# Altium PCB FPGA_Module.PcbDoc (part 4 of 6)
Units mm, origin at the board's own origin, x right, y up, seen from the top; angles counter-clockwise.
Board outline 40 x 50 mm, 6 copper layers (Top Layer, Int1 (GND), Int2 (Sign), Int3 (Sign), Int4 (GND), Bottom Layer), stack 1.482 mm thick; 195 components, 212 nets, 1182 pads, 669 vias.
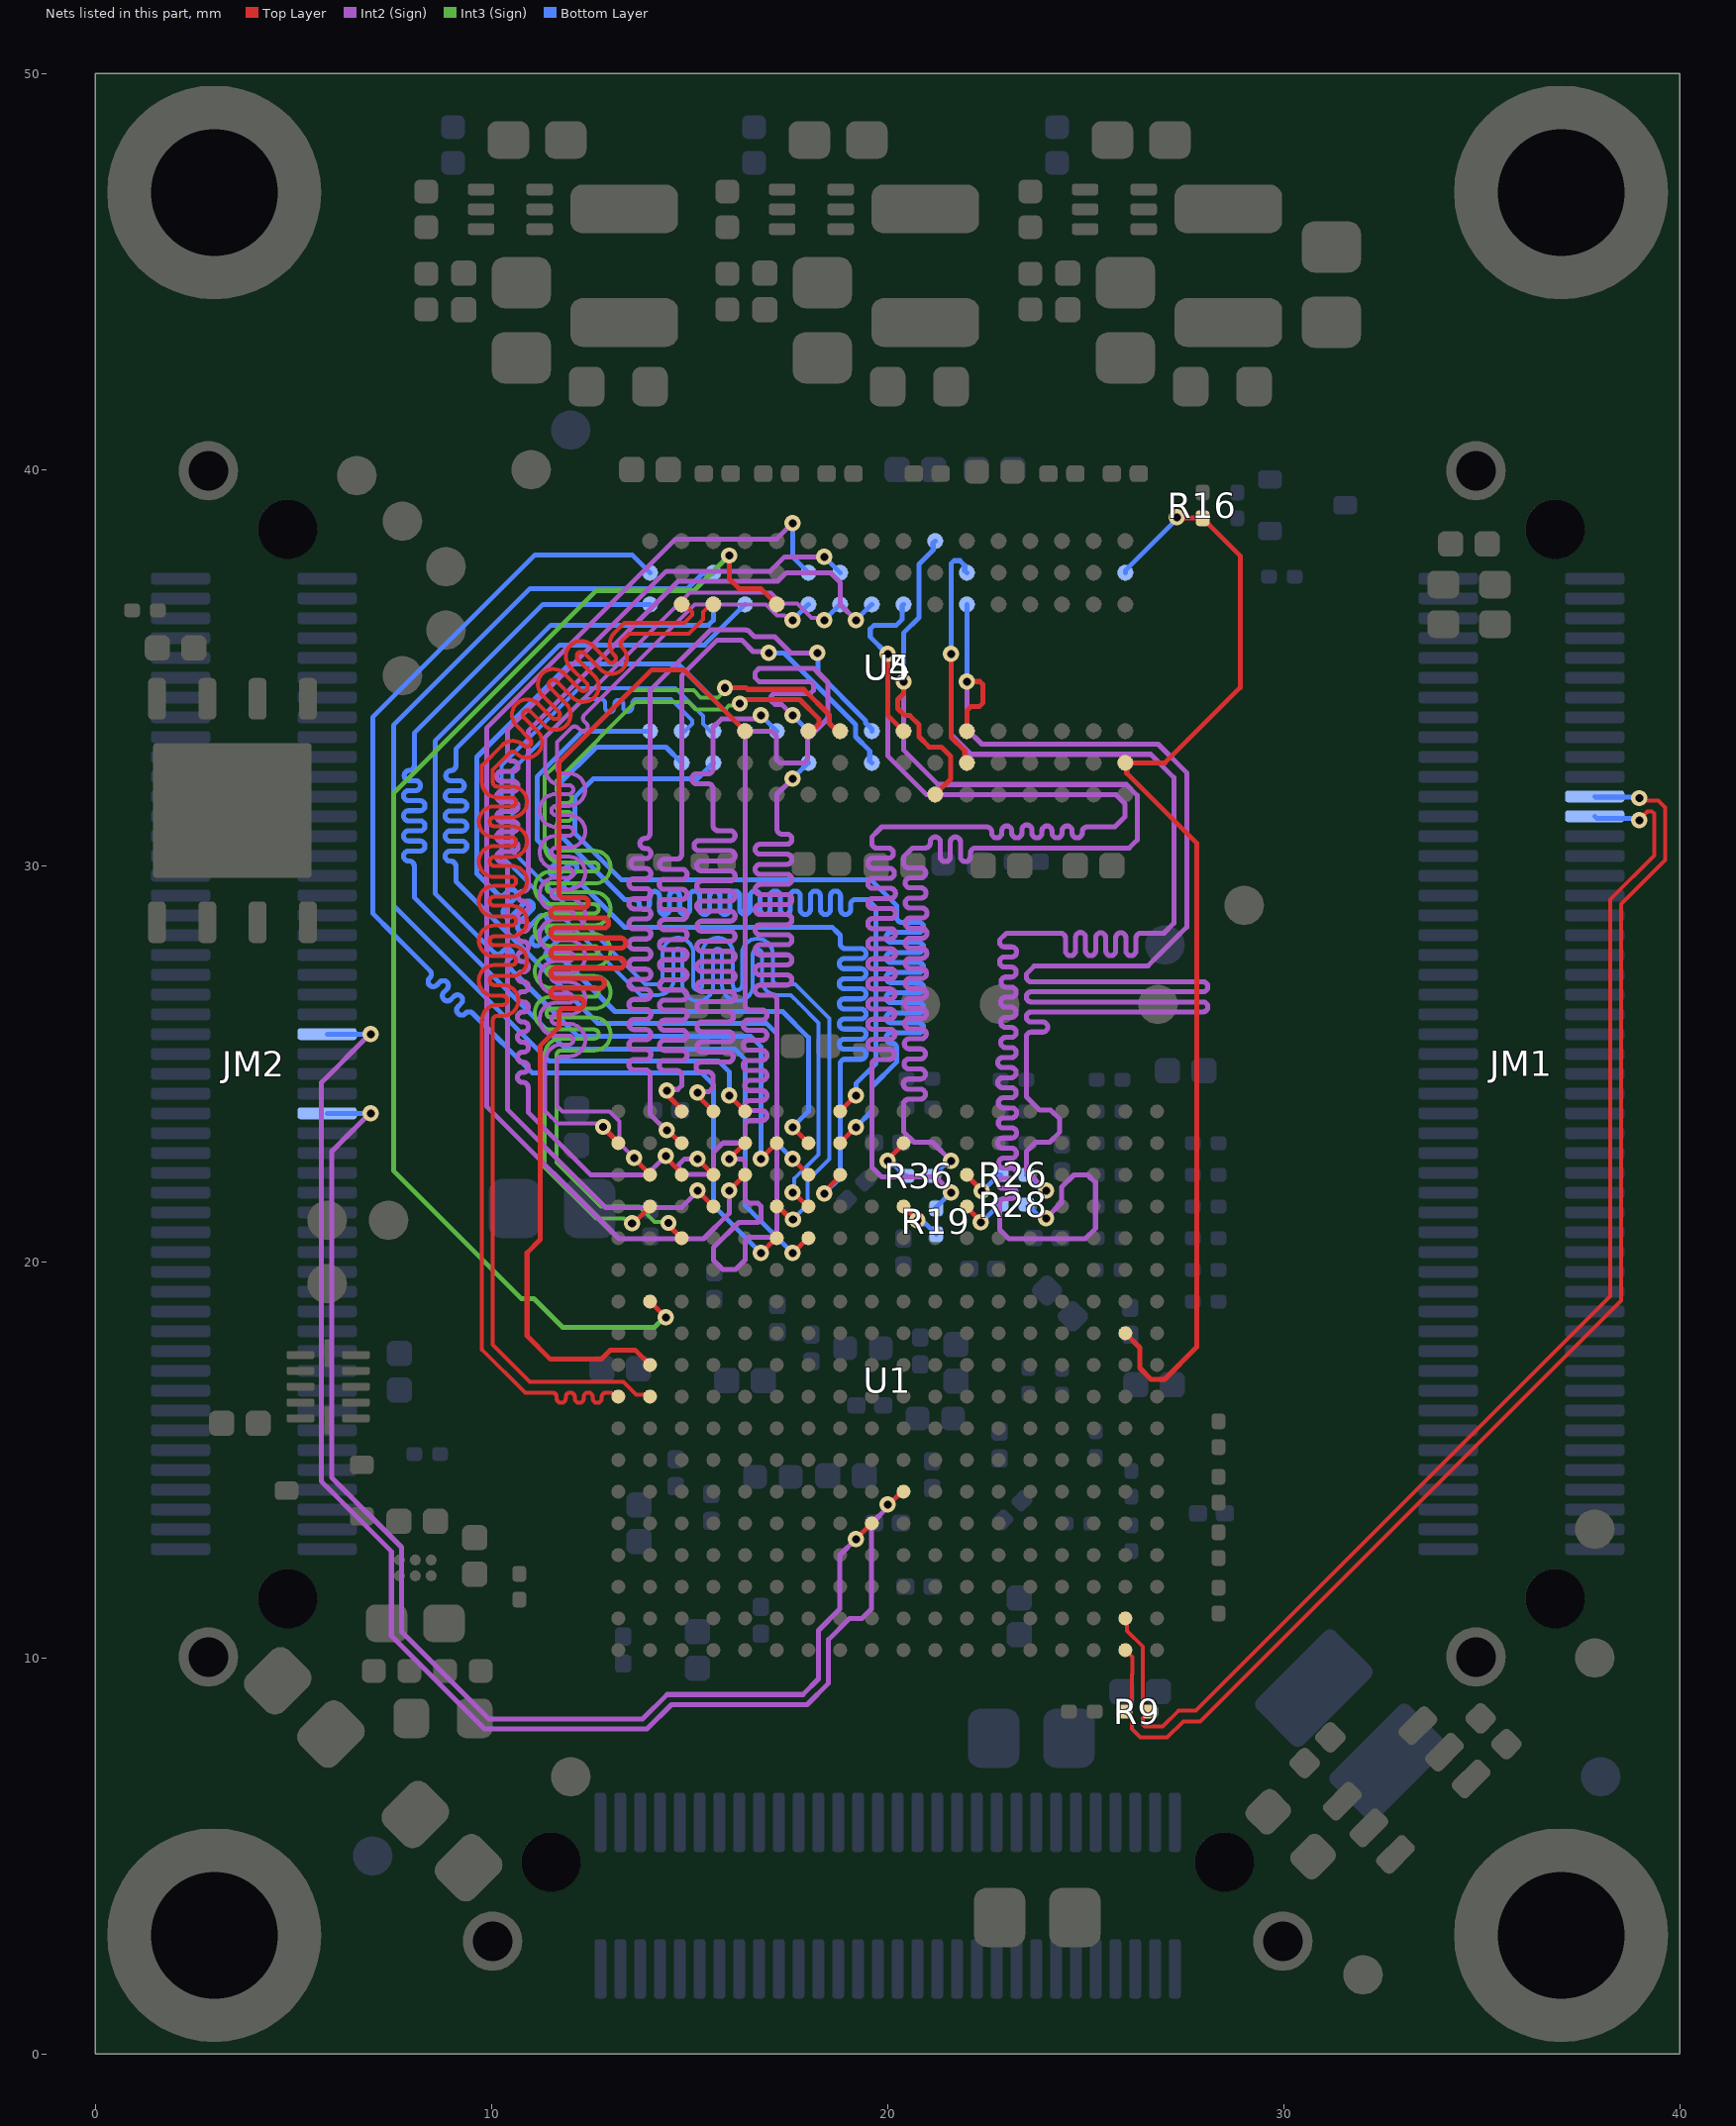
[diagram p8: the nets of this part, all layers, seen from the top]

## Via types
v1: diameter 0.406, hole 0.203, Top Layer to Bottom Layer, tented both sides, 669 vias

## Nets (pads, with @x,y where several pads share a name; then routed paths per layer and width w, separated by ;. In a path a pad name is that pad's centre, name@x,y a point inside that pad or via, vN(x,y) a via of type N, cw(c..) or ccw(c..) an arc to the next point about the centre after c; other vN are vias at no path point) (continued)
DDR3_D17: U1.D16 U5.F7 | length 30.2
  Top Layer w0.127: v1(15.2,22.6) U1.D16@15.562,22.238
  Int2 (Sign) w0.127: v1@15.23,22.63 v1(15.2,22.6) 14.875,22.6 14.725,22.45 14.725,22.281 14.799,22.206 15.506,22.206 15.6,22.3 15.6,22.757 15.844,23.001 16.276,23.001 16.402,23.127 16.402,23.234 16.402,23.437 cw(c16.529,23.437) 16.529,23.564 16.825,23.564 ccw(c16.825,23.691) 16.825,23.818 16.521,23.818 cw(c16.521,23.945) 16.521,24.072 16.825,24.072 ccw(c16.825,24.199) 16.825,24.326 16.521,24.326 cw(c16.521,24.453) 16.521,24.58 16.825,24.58 ccw(c16.825,24.707) 16.825,24.834 16.481,24.834 cw(c16.481,24.961) 16.481,25.088 16.825,25.088 ccw(c16.825,25.215) 16.825,25.342 16.481,25.342 cw(c16.481,25.469) 16.481,25.596 16.825,25.596 ccw(c16.825,25.723) 16.825,25.85 16.481,25.85 cw(c16.481,25.977) 16.481,26.104 16.825,26.104 ccw(c16.825,26.231) 16.825,26.358 16.529,26.358 cw(c16.529,26.485) 16.402,26.485 16.402,26.548 16.402,33.277 16.519,33.394 17.081,33.394 17.191,33.284 17.191,32.684 17.275,32.6 17.9,32.6 17.981,32.681 17.981,33.206 18.494,33.719 18.494,34.631 18.144,34.981 16.756,34.981 16.65,34.875 16.65,34.75 16.75,34.65 18.05,34.65 18.125,34.575 18.125,34.424 18.051,34.35 17.129,34.35 17.055,34.276 17.055,34.17 17.15,34.075 17.325,34.075 v1(17.6,33.8)
  Bottom Layer w0.127: v1(17.6,33.8) U5.F7@18,33.4
DDR3_D18: U1.E16 U5.F2 | length 29.7
  Top Layer w0.127: v1(16,21.8) U1.E16@16.362,22.162
  Int2 (Sign) w0.127: v1(16,21.8) 16,21.225 15.355,20.58 13.22,20.58 9.875,23.925 9.875,33.475 14.65,38.25 17.2,38.25 v1(17.6,38.65)
  Bottom Layer w0.127: v1(17.6,38.65) 17.6,37.8 U5.F2@18,37.4
DDR3_D19: U1.E17 U5.F8 | length 32.1
  Top Layer w0.127: v1(16,22.6) U1.E17@16.362,22.962
  Int2 (Sign) w0.127: v1(16,22.6) 16.332,22.6 16.406,22.526 16.406,21.556 16.481,21.481 16.726,21.481 16.8,21.407 16.8,21.072 16.726,20.998 16.241,20.998 15.606,20.363 15.606,20.037 15.837,19.806 16.163,19.806 16.406,20.05 16.406,20.531 16.496,20.621 17.046,20.621 17.206,20.781 17.206,26.283 17.206,26.608 ccw(c17.079,26.608) 17.079,26.735 16.783,26.735 cw(c16.783,26.862) 16.783,26.989 17.457,26.989 ccw(c17.457,27.116) 17.457,27.243 16.783,27.243 cw(c16.783,27.37) 16.783,27.497 17.457,27.497 ccw(c17.457,27.624) 17.457,27.751 16.783,27.751 cw(c16.783,27.878) 16.783,28.005 17.457,28.005 ccw(c17.457,28.132) 17.457,28.259 16.783,28.259 cw(c16.783,28.386) 16.783,28.513 17.457,28.513 ccw(c17.457,28.64) 17.457,28.767 16.783,28.767 cw(c16.783,28.894) 16.783,29.021 17.457,29.021 ccw(c17.457,29.148) 17.457,29.275 16.783,29.275 cw(c16.783,29.402) 16.783,29.529 17.457,29.529 ccw(c17.457,29.656) 17.457,29.783 16.783,29.783 cw(c16.783,29.91) 16.783,30.037 17.457,30.037 ccw(c17.457,30.164) 17.457,30.291 16.783,30.291 cw(c16.783,30.418) 16.783,30.545 17.457,30.545 ccw(c17.457,30.672) 17.457,30.799 17.333,30.799 cw(c17.333,30.926) 17.206,30.926 17.206,31.806 17.533,32.133 v1(17.6,32.2)
  Bottom Layer w0.127: v1(17.6,32.2) U5.F8@18,32.6
DDR3_D20: U1.C16 U5.H3 | length 29.2
  Top Layer w0.127: v1(14.4,22.675) 14.4,22.638 14.762,22.275 U1.C16@14.762,22.238
  Int2 (Sign) w0.127: v1(14.4,22.675) 13.925,22.2 12.5,22.2 10.925,23.775 10.925,24.341 10.925,24.404 ccw(c10.798,24.404) 10.798,24.531 10.781,24.531 cw(c10.781,24.658) 10.781,24.785 10.805,24.785 ccw(c10.805,24.912) 10.805,25.039 10.781,25.039 cw(c10.781,25.166) 10.781,25.293 10.805,25.293 ccw(c10.805,25.42) 10.805,25.547 10.781,25.547 cw(c10.781,25.674) 10.781,25.801 10.805,25.801 ccw(c10.805,25.928) 10.805,26.055 10.781,26.055 cw(c10.781,26.182) 10.781,26.309 10.805,26.309 ccw(c10.805,26.436) 10.805,26.563 10.781,26.563 cw(c10.781,26.69) 10.781,26.817 10.805,26.817 ccw(c10.805,26.944) 10.805,27.071 10.781,27.071 cw(c10.781,27.198) 10.781,27.325 10.805,27.325 ccw(c10.805,27.452) 10.805,27.579 10.781,27.579 cw(c10.781,27.706) 10.781,27.833 10.805,27.833 ccw(c10.805,27.96) 10.805,28.087 10.781,28.087 cw(c10.781,28.214) 10.781,28.341 10.805,28.341 ccw(c10.805,28.468) 10.805,28.595 10.792,28.595 cw(c10.792,28.722) 10.792,28.849 10.805,28.849 ccw(c10.805,28.976) 10.805,29.103 10.798,29.103 cw(c10.798,29.23) 10.798,29.357 ccw(c10.798,29.484) 10.925,29.484 10.925,29.749 10.925,33.4 14.708,37.183 17.226,37.183 17.437,37.394 18.563,37.394 18.806,37.15 18.806,36.594 v1(19.2,36.2)
  Bottom Layer w0.127: v1(19.2,36.2) U5.H3@19.6,36.6
DDR3_D21: U1.C18 U5.H8 | length 30.9
  Top Layer w0.127: v1(14.425,24.325) 14.478,24.272 14.478,24.17 14.8,23.849 U1.C18@14.8,23.8
  Int2 (Sign) w0.127: v1(14.425,24.325) 14.451,24.351 14.701,24.351 14.8,24.45 14.8,24.641 14.8,24.705 ccw(c14.673,24.705) 14.673,24.832 14.358,24.832 cw(c14.358,24.959) 14.358,25.086 14.809,25.086 ccw(c14.809,25.213) 14.809,25.34 14.37,25.34 cw(c14.37,25.467) 14.37,25.594 14.809,25.594 ccw(c14.809,25.721) 14.809,25.848 14.37,25.848 cw(c14.37,25.975) 14.37,26.102 14.809,26.102 ccw(c14.809,26.229) 14.809,26.356 14.37,26.356 cw(c14.37,26.483) 14.37,26.61 14.809,26.61 ccw(c14.809,26.737) 14.809,26.864 14.37,26.864 cw(c14.37,26.991) 14.37,27.118 14.809,27.118 ccw(c14.809,27.245) 14.809,27.372 14.368,27.372 cw(c14.368,27.499) 14.368,27.626 14.809,27.626 ccw(c14.809,27.753) 14.809,27.88 14.367,27.88 cw(c14.367,28.007) 14.367,28.134 14.809,28.134 ccw(c14.809,28.261) 14.809,28.388 14.365,28.388 cw(c14.365,28.515) 14.365,28.642 14.809,28.642 ccw(c14.809,28.769) 14.809,28.896 14.363,28.896 cw(c14.363,29.023) 14.363,29.15 14.809,29.15 ccw(c14.809,29.277) 14.809,29.404 14.362,29.404 cw(c14.362,29.531) 14.362,29.658 14.809,29.658 ccw(c14.809,29.785) 14.809,29.912 14.37,29.912 cw(c14.37,30.039) 14.37,30.166 14.673,30.166 ccw(c14.673,30.293) 14.8,30.293 14.8,31.375 14.8,34.8 15.7,35.7 16.316,35.7 16.606,35.409 16.966,35.409 v1(17,35.375)
  Bottom Layer w0.127: v1(17,35.375) 17.001,35.374 17.379,35.374 19.191,33.562 19.191,33.257 19.548,32.9 19.548,32.652 U5.H8@19.6,32.6
DDR3_D22: U1.D15 U5.G2 | length 30.7
  Top Layer w0.127: v1(15.2,21.8) U1.D15@15.562,21.438
  Int2 (Sign) w0.127: v1@15.213,21.788 14.8,21.375 12.875,21.375 10.4,23.85 10.4,29.91 10.4,29.974 ccw(c10.273,29.974) 10.273,30.101 10.256,30.101 cw(c10.256,30.228) 10.256,30.355 10.544,30.355 ccw(c10.544,30.482) 10.544,30.609 10.256,30.609 cw(c10.256,30.736) 10.256,30.863 10.544,30.863 ccw(c10.544,30.99) 10.544,31.117 10.256,31.117 cw(c10.256,31.244) 10.256,31.371 10.544,31.371 ccw(c10.544,31.498) 10.544,31.625 10.256,31.625 cw(c10.256,31.752) 10.256,31.879 10.544,31.879 ccw(c10.544,32.006) 10.544,32.133 10.256,32.133 cw(c10.256,32.26) 10.256,32.387 10.544,32.387 ccw(c10.544,32.514) 10.544,32.641 10.527,32.641 cw(c10.527,32.768) 10.4,32.768 10.4,33.4 10.4,33.425 14.413,37.438 17.038,37.438 17.4,37.8 v1(18.4,37.8)
  Bottom Layer w0.127: v1(18.4,37.8) U5.G2@18.8,37.4
DDR3_D23: U1.C17 U5.H7 | length 29.4
  Top Layer w0.127: v1(14.425,23.325) 14.45,23.325 14.737,23.038 U1.C17@14.762,23.038
  Int2 (Sign) w0.127: v1(14.425,23.325) 14.404,23.325 14,23.729 14,24.658 14,24.722 ccw(c13.873,24.722) 13.873,24.849 13.597,24.849 cw(c13.597,24.976) 13.597,25.103 13.896,25.103 ccw(c13.896,25.23) 13.896,25.357 13.597,25.357 cw(c13.597,25.484) 13.597,25.611 13.896,25.611 ccw(c13.896,25.738) 13.896,25.865 13.597,25.865 cw(c13.597,25.992) 13.597,26.119 13.896,26.119 ccw(c13.896,26.246) 13.896,26.373 13.597,26.373 cw(c13.597,26.5) 13.597,26.627 13.896,26.627 ccw(c13.896,26.754) 13.896,26.881 13.597,26.881 cw(c13.597,27.008) 13.597,27.135 13.896,27.135 ccw(c13.896,27.262) 13.896,27.389 13.597,27.389 cw(c13.597,27.516) 13.597,27.643 13.896,27.643 ccw(c13.896,27.77) 13.896,27.897 13.597,27.897 cw(c13.597,28.024) 13.597,28.151 13.896,28.151 ccw(c13.896,28.278) 13.896,28.405 13.597,28.405 cw(c13.597,28.532) 13.597,28.659 13.896,28.659 ccw(c13.896,28.786) 13.896,28.913 13.597,28.913 cw(c13.597,29.04) 13.597,29.167 13.896,29.167 ccw(c13.896,29.294) 13.896,29.421 13.597,29.421 cw(c13.597,29.548) 13.597,29.675 13.896,29.675 ccw(c13.896,29.802) 13.896,29.929 13.647,29.929 cw(c13.647,30.056) 13.647,30.183 13.896,30.183 ccw(c13.896,30.31) 13.896,30.437 13.873,30.437 cw(c13.873,30.564) 13.873,30.691 ccw(c13.873,30.818) 14,30.818 14,31.379 14,34.425 15.529,35.954 16.421,35.954 16.425,35.95 16.468,35.95 16.637,35.781 17.15,35.781 17.557,35.375 v1(18.225,35.375)
  Bottom Layer w0.127: v1(18.225,35.375) 18.237,35.363 18.237,34.875 19.445,33.667 19.445,33.611 19.6,33.455 U5.H7@19.6,33.4
DDR3_D24: U1.G17 U5.D7 | length 29
  Top Layer w0.127: v1(17.6,23.4) U1.G17@17.962,23.038
  Bottom Layer w0.127: U5.D7@16.4,33.4 14.706,35.094 11.978,35.094 9.631,32.747 9.631,29.803 9.717,29.717 9.762,29.672 10.153,29.281 ccw(c10.243,29.37) 10.333,29.281 10.417,29.364 cw(c10.506,29.274) 10.596,29.364 cw(c10.506,29.274) 10.596,29.185 10.328,28.917 ccw(c10.418,28.827) 10.328,28.737 ccw(c10.418,28.827) 10.508,28.737 10.839,29.069 cw(c10.929,28.979) 11.019,29.069 cw(c10.929,28.979) 11.019,28.889 10.687,28.557 ccw(c10.777,28.468) 10.687,28.378 ccw(c10.777,28.468) 10.867,28.378 11.199,28.71 cw(c11.288,28.62) 11.378,28.71 cw(c11.288,28.62) 11.378,28.53 11.047,28.198 ccw(c11.136,28.108) 11.047,28.019 ccw(c11.136,28.108) 11.226,28.019 11.558,28.35 cw(c11.648,28.261) 11.737,28.35 cw(c11.648,28.261) 11.737,28.171 11.406,27.839 ccw(c11.496,27.749) 11.406,27.659 ccw(c11.496,27.749) 11.585,27.659 11.59,27.664 cw(c11.68,27.574) 11.77,27.664 11.815,27.619 13.115,26.319 17.347,26.319 18,25.666 18,23.8 v1(17.6,23.4)
DDR3_D25: U1.F17 U5.C3 | length 26.2
  Top Layer w0.127: v1(16.8,22.6) U1.F17@17.162,22.962
  Bottom Layer w0.127: U5.C3@15.6,36.6 15.6,36.2 15.475,36.075 11.5,36.075 8.575,33.15 8.575,29.3 9.676,28.199 9.721,28.154 10.072,27.803 ccw(c10.161,27.893) 10.251,27.803 10.307,27.86 cw(c10.397,27.77) 10.487,27.86 cw(c10.397,27.77) 10.487,27.68 10.431,27.624 ccw(c10.521,27.534) 10.431,27.444 10.61,27.265 10.655,27.22 12.175,25.7 16.538,25.7 16.8,25.438 v1(16.8,22.6)
DDR3_D26: U1.H17 U5.C8 | length 30.1
  Top Layer w0.127: U1.H17@18.838,23.038 v1(19.2,23.4)
  Bottom Layer w0.127: U5.C8@15.6,32.6 15.191,32.191 12.566,32.191 12.1,31.725 12.1,30.825 13.275,29.65 19.575,29.65 20.2,29.025 20.225,29 20.225,28.701 ccw(c20.352,28.701) 20.352,28.574 20.781,28.574 cw(c20.781,28.447) 20.781,28.32 20.09,28.32 ccw(c20.09,28.193) 20.09,28.066 20.781,28.066 cw(c20.781,27.939) 20.781,27.812 20.09,27.812 ccw(c20.09,27.685) 20.09,27.558 20.781,27.558 cw(c20.781,27.431) 20.781,27.304 20.09,27.304 ccw(c20.09,27.177) 20.09,27.05 20.781,27.05 cw(c20.781,26.923) 20.781,26.796 20.09,26.796 ccw(c20.09,26.669) 20.09,26.542 20.781,26.542 cw(c20.781,26.415) 20.781,26.288 20.09,26.288 ccw(c20.09,26.161) 20.09,26.034 20.781,26.034 cw(c20.781,25.907) 20.781,25.78 20.09,25.78 ccw(c20.09,25.653) 20.09,25.526 20.098,25.526 cw(c20.098,25.399) 20.225,25.399 20.225,25.335 20.225,25.041 19.606,24.423 19.606,23.806 v1(19.2,23.4)
DDR3_D27: U1.E18 U5.C2 | length 25.5
  Top Layer w0.127: v1(16,24.2) U1.E18@16.362,23.838
  Bottom Layer w0.127: U5.C2@15.6,37.4 15.572,37.372 15.325,37.372 14.962,37.01 14.96,37.01 14.95,37 10.975,37 7.525,33.55 7.525,29 11.45,25.075 15.725,25.075 16,24.8 v1(16,24.2)
DDR3_D28: U1.H16 U5.A7 | length 29.2
  Top Layer w0.127: v1(18.4,21.725) 18.4,21.762 18.762,22.125 U1.H16@18.762,22.162
  Bottom Layer w0.127: 12.309,29.497 12.354,29.452 13.356,28.45 18.6,28.45 18.731,28.319 18.802,28.248 18.802,28.036 ccw(c18.929,28.036) 18.929,27.909 19.328,27.909 cw(c19.328,27.782) 19.328,27.655 18.905,27.655 ccw(c18.905,27.528) 18.905,27.401 19.328,27.401 cw(c19.328,27.274) 19.328,27.147 18.905,27.147 ccw(c18.905,27.02) 18.905,26.893 19.328,26.893 cw(c19.328,26.766) 19.328,26.639 18.905,26.639 ccw(c18.905,26.512) 18.905,26.385 19.328,26.385 cw(c19.328,26.258) 19.328,26.131 18.905,26.131 ccw(c18.905,26.004) 18.905,25.877 19.328,25.877 cw(c19.328,25.75) 19.328,25.623 18.905,25.623 ccw(c18.905,25.496) 18.905,25.369 19.328,25.369 cw(c19.328,25.242) 19.328,25.115 18.929,25.115 ccw(c18.929,24.988) 18.802,24.988 18.802,24.162 18.802,22.127 v1(18.4,21.725) ; 12.309,29.497 ccw(c12.219,29.407) 12.129,29.497 12.044,29.411 cw(c11.954,29.501) 11.864,29.411 cw(c11.954,29.501) 11.864,29.591 12.12,29.847 ccw(c12.03,29.937) 12.12,30.027 ccw(c12.03,29.937) 11.94,30.027 11.684,29.771 cw(c11.595,29.86) 11.505,29.771 cw(c11.595,29.86) 11.505,29.95 11.59,30.036 ccw(c11.501,30.126) 11.59,30.216 11.195,30.611 11.15,30.656 11.15,32.25 12.3,33.4 U5.A7@14,33.4
DDR3_D29: U1.F14 U5.A2 | length 30.8
  Top Layer w0.127: v1(16.8,20.225) 16.813,20.225 17.162,20.575 U1.F14@17.162,20.587
  Bottom Layer w0.127: U5.A2@14,37.4 13.55,37.85 11.1,37.85 7,33.75 7,28.8 7.505,28.295 7.55,28.25 8.446,27.354 cw(c8.356,27.264) 8.446,27.174 8.437,27.165 ccw(c8.527,27.075) 8.437,26.985 ccw(c8.527,27.075) 8.616,26.985 8.694,27.063 cw(c8.784,26.973) 8.874,27.063 cw(c8.784,26.973) 8.874,26.883 8.796,26.805 ccw(c8.886,26.716) 8.796,26.626 ccw(c8.886,26.716) 8.976,26.626 9.054,26.704 cw(c9.143,26.614) 9.233,26.704 cw(c9.143,26.614) 9.233,26.524 9.155,26.446 ccw(c9.245,26.356) 9.155,26.267 ccw(c9.245,26.356) 9.335,26.267 9.344,26.276 cw(c9.434,26.186) 9.524,26.276 9.569,26.231 11.025,24.775 15.3,24.775 15.6,24.475 15.6,21.425 v1(16.8,20.225)
DDR3_D30: U1.H18 U5.B8 | length 29.1
  Top Layer w0.127: U1.H18@18.838,23.838 v1(19.2,24.2)
  Bottom Layer w0.127: U5.B8@14.8,32.6 14.406,32.994 12.644,32.994 11.675,32.025 11.675,30.831 13.229,29.277 13.356,29.15 13.604,29.15 cw(c13.604,29.023) 13.731,29.023 ccw(c13.858,29.023) 13.985,29.023 13.985,29.225 cw(c14.112,29.225) 14.239,29.225 14.239,28.897 ccw(c14.366,28.897) 14.493,28.897 14.493,29.236 cw(c14.62,29.236) 14.747,29.236 14.747,28.897 ccw(c14.874,28.897) 15.001,28.897 15.001,29.236 cw(c15.128,29.236) 15.255,29.236 15.255,28.897 ccw(c15.382,28.897) 15.509,28.897 15.509,29.236 cw(c15.636,29.236) 15.763,29.236 15.763,28.897 ccw(c15.89,28.897) 16.017,28.897 16.017,29.236 cw(c16.144,29.236) 16.271,29.236 16.271,28.897 ccw(c16.398,28.897) 16.525,28.897 16.525,29.236 cw(c16.652,29.236) 16.779,29.236 16.779,28.897 ccw(c16.906,28.897) 17.033,28.897 17.033,29.236 cw(c17.16,29.236) 17.287,29.236 17.287,28.897 ccw(c17.414,28.897) 17.541,28.897 17.541,29.236 cw(c17.668,29.236) 17.795,29.236 17.795,28.897 ccw(c17.922,28.897) 18.049,28.897 18.049,29.236 cw(c18.176,29.236) 18.303,29.236 18.303,28.897 ccw(c18.43,28.897) 18.557,28.897 18.557,29.236 cw(c18.684,29.236) 18.811,29.236 18.811,28.897 ccw(c18.938,28.897) 19.065,28.897 19.065,29.023 cw(c19.192,29.023) 19.192,29.15 19.256,29.15 19.5,29.15 19.709,28.941 19.709,25.009 19.201,24.501 19.201,24.201 v1(19.2,24.2)
DDR3_D31: U1.G14 U5.A3 | length 30.9
  Top Layer w0.127: v1(17.6,20.225) 17.613,20.225 17.962,20.575 U1.G14@17.962,20.587
  Bottom Layer w0.127: U5.A3@14,36.6 11.3,36.6 8.05,33.35 8.05,32.807 8.05,32.532 cw(c7.923,32.532) 7.923,32.405 ccw(c7.923,32.278) 7.923,32.151 8.078,32.151 cw(c8.078,32.024) 8.078,31.897 7.906,31.897 ccw(c7.906,31.77) 7.906,31.643 8.194,31.643 cw(c8.194,31.516) 8.194,31.389 7.906,31.389 ccw(c7.906,31.262) 7.906,31.135 8.194,31.135 cw(c8.194,31.008) 8.194,30.881 7.906,30.881 ccw(c7.906,30.754) 7.906,30.627 8.194,30.627 cw(c8.194,30.5) 8.194,30.373 7.906,30.373 ccw(c7.906,30.246) 7.906,30.119 7.923,30.119 cw(c7.923,29.992) 8.05,29.992 8.05,29.928 8.05,29.2 11.875,25.375 16.138,25.375 16.4,25.113 16.4,21.425 v1(17.6,20.225)
DDR3_DM0: U1.B12 U4.E7 | length 31.8
  Top Layer w0.127: U1.B12@13.975,19.025 v1(14.4,18.6) ; v1(16,37.832) 16,37.248 16.248,37 16.8,37 U4.E7@17.2,36.6
  Int3 (Sign) w0.127: v1(14.4,18.6) 14.371,18.6 14.119,18.349 11.794,18.349 11.068,19.075 10.75,19.075 7.525,22.3 7.525,31.825 12.65,36.95 15.118,36.95 v1(16,37.832)
DDR3_DM1: U1.B10 U4.D3 | length 39.7
  Top Layer w0.127: U1.B10@14,17.4 13.635,17.766 12.991,17.766 12.768,17.543 11.487,17.543 10.898,18.131 10.898,20.23 11.225,20.556 11.225,25.45 11.7,25.925 11.7,25.954 11.7,26.272 cw(c11.827,26.272) 11.827,26.399 12.213,26.399 ccw(c12.213,26.526) 12.213,26.653 11.623,26.653 cw(c11.623,26.78) 11.623,26.907 12.721,26.907 ccw(c12.721,27.034) 12.721,27.161 11.623,27.161 cw(c11.623,27.288) 11.623,27.415 13.229,27.415 ccw(c13.229,27.542) 13.229,27.669 11.623,27.669 cw(c11.623,27.796) 11.623,27.923 13.261,27.923 ccw(c13.261,28.05) 13.261,28.177 11.623,28.177 cw(c11.623,28.304) 11.623,28.431 12.833,28.431 ccw(c12.833,28.558) 12.833,28.685 11.623,28.685 cw(c11.623,28.812) 11.623,28.939 12.32,28.939 ccw(c12.32,29.066) 12.32,29.193 11.827,29.193 cw(c11.827,29.32) 11.7,29.32 11.7,29.7 11.7,32.6 14.05,34.95 14.85,34.95 U4.D3@16.4,33.4
DDR3_DM2: U1.D18 U5.E7 | length 33.2
  Top Layer w0.127: v1(15.2,24.275) 15.2,24.2 U1.D18@15.562,23.838
  Int2 (Sign) w0.127: v1(15.2,24.275) 15.217,24.292 15.486,24.292 15.558,24.364 15.594,24.401 15.594,24.428 15.594,24.665 ccw(c15.467,24.665) 15.467,24.792 15.289,24.792 cw(c15.289,24.919) 15.289,25.046 15.975,25.046 ccw(c15.975,25.173) 15.975,25.3 15.314,25.3 cw(c15.314,25.427) 15.314,25.554 15.98,25.554 ccw(c15.98,25.681) 15.98,25.808 15.314,25.808 cw(c15.314,25.935) 15.314,26.062 15.982,26.062 ccw(c15.982,26.189) 15.982,26.316 15.314,26.316 cw(c15.314,26.443) 15.314,26.57 16.021,26.57 ccw(c16.021,26.697) 16.021,26.824 15.314,26.824 cw(c15.314,26.951) 15.314,27.078 16.021,27.078 ccw(c16.021,27.205) 16.021,27.332 15.313,27.332 cw(c15.313,27.459) 15.313,27.586 16.021,27.586 ccw(c16.021,27.713) 16.021,27.84 15.312,27.84 cw(c15.312,27.967) 15.312,28.094 16.021,28.094 ccw(c16.021,28.221) 16.021,28.348 15.311,28.348 cw(c15.311,28.475) 15.311,28.602 16.021,28.602 ccw(c16.021,28.729) 16.021,28.856 15.31,28.856 cw(c15.31,28.983) 15.31,29.11 16.021,29.11 ccw(c16.021,29.237) 16.021,29.364 15.309,29.364 cw(c15.309,29.491) 15.309,29.618 16.021,29.618 ccw(c16.021,29.745) 16.021,29.872 15.308,29.872 cw(c15.308,29.999) 15.308,30.126 16.021,30.126 ccw(c16.021,30.253) 16.021,30.38 15.239,30.38 cw(c15.239,30.507) 15.239,30.634 16.021,30.634 ccw(c16.021,30.761) 16.021,30.888 15.721,30.888 cw(c15.721,31.015) 15.594,31.015 15.594,31.078 15.594,31.65 15.594,31.713 15.594,31.944 ccw(c15.467,31.944) 15.467,32.071 15.181,32.071 cw(c15.181,32.198) 15.181,32.325 15.467,32.325 ccw(c15.467,32.452) 15.594,32.452 15.594,32.706 15.594,32.769 15.594,33.494 15.805,33.705 16.629,33.705 16.724,33.8 v1(16.8,33.8)
  Bottom Layer w0.127: v1(16.8,33.8) U5.E7@17.2,33.4
DDR3_DM3: U1.G16 U5.D3 | length 29.4
  Top Layer w0.127: v1(17.6,22.6) U1.G16@17.962,22.238
  Bottom Layer w0.127: U5.D3@16.4,36.6 15.375,35.575 11.725,35.575 9.1,32.95 9.1,32.758 9.1,32.529 cw(c8.973,32.529) 8.973,32.402 ccw(c8.973,32.275) 8.973,32.148 9.184,32.148 cw(c9.184,32.021) 9.184,31.894 8.956,31.894 ccw(c8.956,31.767) 8.956,31.64 9.25,31.64 cw(c9.25,31.513) 9.25,31.386 8.956,31.386 ccw(c8.956,31.259) 8.956,31.132 9.25,31.132 cw(c9.25,31.005) 9.25,30.878 8.956,30.878 ccw(c8.956,30.751) 8.956,30.624 9.25,30.624 cw(c9.25,30.497) 9.25,30.37 8.956,30.37 ccw(c8.956,30.243) 8.956,30.116 8.973,30.116 cw(c8.973,29.989) 9.1,29.989 9.1,29.925 9.1,29.606 12.681,26.025 16.938,26.025 17.2,25.763 17.2,23 v1(17.6,22.6)
DDR3_DQS0_N: U1.B15 U4.G3 | length 35.7
  Top Layer w0.127: v1@13.6,20.975 13.6,20.987 13.962,21.35 U1.B15@13.962,21.4 ; v1@15.939,34.586 16.033,34.492 16.429,34.492 16.47,34.451 17.887,34.451 18.529,33.809 18.529,33.598 18.726,33.4 U4.G3@18.8,33.4
  Int3 (Sign) w0.1: v1@13.549,21.021 13.419,21.021 13.345,21.095 12.64,21.095 11.346,22.389 11.346,22.726 11.346,25.224 cw(c11.76,25.224) 11.76,25.638 12.593,25.638 ccw(c12.593,25.751) 12.593,25.865 11.503,25.865 cw(c11.503,26.278) 11.503,26.692 12.593,26.692 ccw(c12.593,26.805) 12.593,26.919 11.503,26.919 cw(c11.503,27.332) 11.503,27.746 12.593,27.746 ccw(c12.593,27.859) 12.593,27.973 11.503,27.973 cw(c11.503,28.386) 11.503,28.8 12.593,28.8 ccw(c12.593,28.913) 12.593,29.027 11.503,29.027 cw(c11.503,29.44) 11.503,29.854 12.593,29.854 ccw(c12.593,29.967) 12.593,30.081 11.76,30.081 cw(c11.76,30.494) 11.346,30.494 11.346,30.695 11.346,32.271 11.575,32.5 13.506,34.43 15.1,34.43 15.281,34.25 15.715,34.25 15.894,34.429 v1(15.894,34.488)
  other v1: 13.549,20.974
DDR3_DQS0_P: U1.C14 U4.F3 | length 36.7
  Top Layer w0.127: v1@14.412,20.975 14.419,20.975 v1@14.469,20.925 ; v1(14.469,20.981) v1@14.469,20.925 ; 14.587,20.806 v1@14.469,20.925 ; U1.C14@14.762,20.638 14.756,20.638 v1@14.469,20.925 ; v1@16.164,34.193 16.165,34.194 17.78,34.194 18.271,33.703 18.271,33.598 18.074,33.4 U4.F3@18,33.4
  Int3 (Sign) w0.1: v1@14.412,20.975 14.383,21.004 14.115,21.004 13.725,21.395 12.764,21.395 11.646,22.513 11.646,22.726 11.646,25.224 cw(c11.76,25.224) 11.76,25.338 12.593,25.338 ccw(c12.593,25.751) 12.593,26.165 11.503,26.165 cw(c11.503,26.278) 11.503,26.392 12.593,26.392 ccw(c12.593,26.805) 12.593,27.219 11.503,27.219 cw(c11.503,27.332) 11.503,27.446 12.593,27.446 ccw(c12.593,27.859) 12.593,28.273 11.503,28.273 cw(c11.503,28.386) 11.503,28.5 12.593,28.5 ccw(c12.593,28.913) 12.593,29.327 11.503,29.327 cw(c11.503,29.44) 11.503,29.554 12.593,29.554 ccw(c12.593,29.967) 12.593,30.381 11.76,30.381 cw(c11.76,30.494) 11.646,30.494 11.646,30.695 11.646,30.742 11.646,31.019 cw(c11.76,31.019) 11.76,31.132 11.921,31.132 ccw(c11.921,31.246) 11.921,31.359 11.76,31.359 cw(c11.76,31.473) 11.76,31.586 11.921,31.586 ccw(c11.921,31.7) 11.921,31.813 11.76,31.813 cw(c11.76,31.927) 11.646,31.927 11.646,32.147 11.787,32.287 13.63,34.13 14.976,34.13 15.156,33.95 15.903,33.95 15.992,34.04 16.207,34.04 v1(16.266,34.098)
DDR3_DQS1_N: U1.A9 U4.B7 | length 40.7
  Top Layer w0.1: 11.691,33.897 11.284,34.305 cw(c11.557,34.58) 11.283,34.854 cw(c11.557,34.58) 11.784,34.894 11.791,34.894 12.24,34.444 ccw(c12.32,34.525) 12.401,34.444 ccw(c12.32,34.525) 12.4,34.605 11.992,35.013 cw(c12.265,35.288) 11.991,35.562 cw(c12.265,35.288) 12.492,35.602 12.499,35.602 12.949,35.153 ccw(c13.029,35.233) 13.109,35.314 13.098,35.324 cw(c13.372,35.599) 13.098,35.873 13.23,36.005 13.359,36.135 14.868,36.135 15.063,36.33 15.063,36.413 14.876,36.6 U4.B7@14.8,36.6 ; 11.692,33.897 cw(c11.612,33.816) 11.692,33.736 cw(c11.612,33.816) 11.532,33.736 11.455,33.813 11.179,34.088 ccw(c10.905,33.814) 10.631,34.088 ccw(c10.905,33.814) 10.631,33.54 10.972,33.2 cw(c10.892,33.119) 10.972,33.039 cw(c10.892,33.119) 10.811,33.039 ccw(c10.537,32.765) 10.263,33.039 9.787,32.563 9.76,32.536 9.76,32.299 9.76,32.112 ccw(c10.148,32.112) 10.148,31.725 10.509,31.725 cw(c10.509,31.611) 10.509,31.498 10.067,31.498 ccw(c10.067,31.11) 10.067,30.723 10.509,30.723 cw(c10.509,30.609) 10.509,30.496 10.067,30.496 ccw(c10.067,30.108) 10.067,29.721 10.509,29.721 cw(c10.509,29.607) 10.509,29.494 10.067,29.494 ccw(c10.067,29.106) 10.067,28.719 10.509,28.719 cw(c10.509,28.605) 10.509,28.492 10.067,28.492 ccw(c10.067,28.104) 10.067,27.717 10.509,27.717 cw(c10.509,27.603) 10.509,27.49 10.067,27.49 ccw(c10.067,27.102) 10.067,26.715 10.287,26.715 cw(c10.287,26.601) 10.287,26.488 10.148,26.488 ccw(c10.148,26.1) 9.76,26.1 9.76,25.347 9.76,17.789 10.849,16.7 11,16.7 11.533,16.7 cw(c11.533,16.586) 11.647,16.586 11.647,16.554 ccw(c11.76,16.554) 11.874,16.554 11.874,16.586 cw(c11.987,16.586) 12.101,16.586 12.101,16.554 ccw(c12.214,16.554) 12.328,16.554 12.328,16.586 cw(c12.441,16.586) 12.555,16.586 12.555,16.554 ccw(c12.668,16.554) 12.782,16.554 12.782,16.586 cw(c12.895,16.586) 12.895,16.7 12.945,16.7 13.032,16.7 13.132,16.6 U1.A9@13.2,16.6
DDR3_DQS1_P: U1.B9 U4.C7 | length 40.2
  Top Layer w0.1: U1.B9@14,16.6 13.952,16.648 13.65,16.648 13.324,16.974 10.963,16.974 10.034,17.902 10.034,25.347 10.034,26.1 cw(c10.148,26.1) 10.148,26.214 10.287,26.214 ccw(c10.287,26.601) 10.287,26.989 10.067,26.989 cw(c10.067,27.102) 10.067,27.216 10.509,27.216 ccw(c10.509,27.603) 10.509,27.991 10.067,27.991 cw(c10.067,28.104) 10.067,28.218 10.509,28.218 ccw(c10.509,28.605) 10.509,28.993 10.067,28.993 cw(c10.067,29.106) 10.067,29.22 10.509,29.22 ccw(c10.509,29.607) 10.509,29.995 10.067,29.995 cw(c10.067,30.108) 10.067,30.222 10.509,30.222 ccw(c10.509,30.609) 10.509,30.997 10.067,30.997 cw(c10.067,31.11) 10.067,31.224 10.509,31.224 ccw(c10.509,31.611) 10.509,31.999 10.148,31.999 cw(c10.148,32.112) 10.034,32.112 10.034,32.299 10.034,32.316 10.034,32.423 10.457,32.845 cw(c10.537,32.765) 10.618,32.845 ccw(c10.892,33.119) 11.166,32.845 ccw(c10.892,33.119) 11.166,33.393 10.825,33.734 cw(c10.905,33.814) 10.825,33.894 cw(c10.905,33.814) 10.986,33.894 11.337,33.543 ccw(c11.612,33.816) 11.886,33.542 ccw(c11.612,33.816) 11.926,34.043 11.926,34.05 11.476,34.5 cw(c11.557,34.58) 11.477,34.66 cw(c11.557,34.58) 11.638,34.66 12.046,34.252 ccw(c12.32,34.525) 12.594,34.251 ccw(c12.32,34.525) 12.634,34.752 12.634,34.759 12.185,35.208 cw(c12.265,35.288) 12.185,35.368 cw(c12.265,35.288) 12.346,35.368 12.754,34.96 ccw(c13.029,35.233) 13.302,34.959 13.304,34.96 ccw(c13.029,35.233) 13.343,35.46 13.343,35.467 13.291,35.519 cw(c13.372,35.599) 13.291,35.679 13.423,35.812 13.473,35.861 14.981,35.861 15.337,36.216 15.337,36.413 15.524,36.6 U4.C7@15.6,36.6
DDR3_DQS2_N: U1.A17 U5.G3 | length 29.4
  Top Layer w0.127: v1@12.817,23.397 U1.A17@13.167,23.047 ; U1.A17@13.188,23 U1.A17@13.2,23
  Int2 (Sign) w0.1: v1@12.725,23.5 11.67,23.5 11.511,23.66 11.359,23.811 11.359,25.072 cw(c11.773,25.072) 11.773,25.485 11.951,25.485 ccw(c11.951,25.599) 11.951,25.712 11.625,25.712 cw(c11.625,26.126) 11.625,26.539 11.951,26.539 ccw(c11.951,26.653) 11.951,26.766 11.625,26.766 cw(c11.625,27.18) 11.625,27.593 11.951,27.593 ccw(c11.951,27.707) 11.951,27.82 11.625,27.82 cw(c11.625,28.234) 11.625,28.647 11.951,28.647 ccw(c11.951,28.761) 11.951,28.874 11.625,28.874 cw(c11.625,29.288) 11.625,29.701 11.951,29.701 ccw(c11.951,29.815) 11.951,29.928 11.625,29.928 cw(c11.625,30.342) 11.625,30.755 11.951,30.755 ccw(c11.951,30.869) 11.951,30.982 11.625,30.982 cw(c11.625,31.396) 11.625,31.809 11.951,31.809 ccw(c11.951,31.923) 11.951,32.036 11.773,32.036 cw(c11.773,32.45) 11.359,32.45 11.359,32.65 11.359,33.249 12.368,34.257 15.008,36.897 17.056,36.897 17.333,36.62 17.718,36.62 18.079,36.259 18.341,36.259 v1(18.4,36.2) ; v1@12.734,23.409 v1(12.817,23.409)
  Bottom Layer w0.127: v1(18.4,36.2) U5.G3@18.8,36.6
DDR3_DQS2_P: U1.B16 U5.F3 | length 29.5
  Top Layer w0.127: v1(13.6,22.625) 13.6,22.613 13.962,22.25 U1.B16@13.962,22.238
  Int2 (Sign) w0.1: v1(13.6,22.625) 13.224,23.001 13.224,23.551 12.975,23.8 12.415,23.8 11.795,23.8 11.659,23.936 11.659,25.072 cw(c11.773,25.072) 11.773,25.185 11.951,25.185 ccw(c11.951,25.599) 11.951,26.012 11.625,26.012 cw(c11.625,26.126) 11.625,26.239 11.951,26.239 ccw(c11.951,26.653) 11.951,27.066 11.625,27.066 cw(c11.625,27.18) 11.625,27.293 11.951,27.293 ccw(c11.951,27.707) 11.951,28.12 11.625,28.12 cw(c11.625,28.234) 11.625,28.347 11.951,28.347 ccw(c11.951,28.761) 11.951,29.174 11.625,29.174 cw(c11.625,29.288) 11.625,29.401 11.951,29.401 ccw(c11.951,29.815) 11.951,30.228 11.625,30.228 cw(c11.625,30.342) 11.625,30.455 11.951,30.455 ccw(c11.951,30.869) 11.951,31.282 11.625,31.282 cw(c11.625,31.396) 11.625,31.509 11.951,31.509 ccw(c11.951,31.923) 11.951,32.336 11.773,32.336 cw(c11.773,32.45) 11.659,32.45 11.659,32.65 11.659,33.125 11.824,33.29 12.02,33.486 cw(c12.1,33.405) 12.181,33.486 12.238,33.428 ccw(c12.319,33.508) 12.399,33.428 ccw(c12.319,33.508) 12.399,33.589 12.341,33.646 cw(c12.421,33.726) 12.341,33.807 12.58,34.045 15.132,36.597 16.931,36.597 17.209,36.32 17.397,36.32 17.517,36.2 v1(17.6,36.2)
  Bottom Layer w0.127: v1(17.6,36.2) U5.F3@18,36.6
DDR3_DQS3_N: U1.F15 U5.B7 | length 30.9
  Top Layer w0.127: U1.F15@17.125,21.438 U1.F15@17.162,21.438 ; U1.F15@17.234,21.383 17.257,21.383 17.57,21.07 v1(17.609,21.07)
  Bottom Layer w0.1: U5.B7@14.8,33.4 14.876,33.4 15.063,33.587 15.063,33.67 14.524,34.209 13.95,34.209 13.666,34.209 ccw(c13.666,34.096) 13.552,34.096 13.552,34 cw(c13.439,34) 13.325,34 13.325,34.075 ccw(c13.212,34.075) 13.098,34.075 13.098,33.99 cw(c12.985,33.99) 12.871,33.99 12.871,34.096 ccw(c12.758,34.096) 12.758,34.209 12.481,34.209 12.321,34.209 10.533,32.422 10.533,30.359 13.883,27.01 14.019,27.01 14.206,27.01 ccw(c14.206,27.124) 14.32,27.124 14.32,27.791 cw(c14.707,27.791) 15.095,27.791 15.095,26.977 ccw(c15.208,26.977) 15.322,26.977 15.322,27.791 cw(c15.709,27.791) 16.097,27.791 16.097,26.977 ccw(c16.21,26.977) 16.324,26.977 16.324,27.772 cw(c16.711,27.772) 17.099,27.772 17.099,27.124 ccw(c17.212,27.124) 17.212,27.01 17.668,27.01 17.846,26.833 18.533,26.146 18.533,22.6 17.98,22.048 17.98,21.441 v1(17.609,21.07)
DDR3_DQS3_P: U1.G15 U5.C7 | length 30.1
  Top Layer w0.127: v1(17.6,21.75) 17.625,21.75 17.937,21.438 U1.G15@17.962,21.438
  Bottom Layer w0.1: U5.C7@15.6,33.4 15.524,33.4 15.337,33.587 15.337,33.784 14.637,34.483 12.208,34.483 10.259,32.535 10.259,30.246 13.769,26.736 14.019,26.736 14.206,26.736 ccw(c14.206,27.124) 14.594,27.124 14.594,27.791 cw(c14.707,27.791) 14.821,27.791 14.821,26.977 ccw(c15.208,26.977) 15.596,26.977 15.596,27.791 cw(c15.709,27.791) 15.823,27.791 15.823,26.977 ccw(c16.21,26.977) 16.598,26.977 16.598,27.772 cw(c16.711,27.772) 16.825,27.772 16.825,27.124 ccw(c17.212,27.124) 17.212,26.736 17.555,26.736 17.752,26.539 18.259,26.032 18.259,22.714 17.648,22.103 17.648,21.798 v1(17.6,21.75)
DDR3_ODT: R36.1 U1.K17 | length 1.2
  Top Layer w0.127: v1(20,22.55) 20,22.575 20.4,22.975 U1.K17@20.4,23
  Bottom Layer w0.127: v1(20,22.55) 20.062,22.55 20.437,22.175 R36.1@20.475,22.175
DDR3_ODT_T: R36.2 U4.K1 U5.K1 | length 44.5
  Top Layer w0.127: v1(20.402,34.648) 20.404,34.647 20.404,34.344 20.255,34.196 20.255,33.973 20.438,33.791 20.562,33.791 20.79,33.562 20.79,33.257 21.048,33 21.352,33 21.59,32.762 21.59,32.191 U4.K1@21.2,31.8
  Int2 (Sign) w0.127: v1(20.402,34.648) v1(20.402,34.648) 20.4,32.925 21.272,32.053 26.027,32.053 26.3,31.78 26.3,30.65 26.1,30.45 22.425,30.45 22.219,30.45 ccw(c22.219,30.323) 22.092,30.323 22.092,30.231 cw(c21.965,30.231) 21.838,30.231 21.838,30.6 ccw(c21.711,30.6) 21.584,30.6 21.584,30.231 cw(c21.457,30.231) 21.33,30.231 21.33,30.6 ccw(c21.203,30.6) 21.076,30.6 21.076,30.577 cw(c20.949,30.577) 20.949,30.45 20.885,30.45 20.625,30.45 20.608,30.433 20.4,30.225 20.4,30.076 ccw(c20.527,30.076) 20.527,29.949 20.835,29.949 cw(c20.835,29.822) 20.835,29.695 20.57,29.695 ccw(c20.57,29.568) 20.57,29.441 20.843,29.441 cw(c20.843,29.314) 20.843,29.187 20.571,29.187 ccw(c20.571,29.06) 20.571,28.933 20.868,28.933 cw(c20.868,28.806) 20.868,28.679 20.572,28.679 ccw(c20.572,28.552) 20.572,28.425 20.865,28.425 cw(c20.865,28.298) 20.865,28.171 20.572,28.171 ccw(c20.572,28.044) 20.572,27.917 20.861,27.917 cw(c20.861,27.79) 20.861,27.663 20.572,27.663 ccw(c20.572,27.536) 20.572,27.409 20.855,27.409 cw(c20.855,27.282) 20.855,27.155 20.572,27.155 ccw(c20.572,27.028) 20.572,26.901 20.852,26.901 cw(c20.852,26.774) 20.852,26.647 20.561,26.647 ccw(c20.561,26.52) 20.561,26.393 20.852,26.393 cw(c20.852,26.266) 20.852,26.139 20.556,26.139 ccw(c20.556,26.012) 20.556,25.885 20.847,25.885 cw(c20.847,25.758) 20.847,25.631 20.549,25.631 ccw(c20.549,25.504) 20.549,25.377 20.827,25.377 cw(c20.827,25.25) 20.827,25.123 20.543,25.123 ccw(c20.543,24.996) 20.543,24.869 20.827,24.869 cw(c20.827,24.742) 20.827,24.615 20.522,24.615 ccw(c20.522,24.488) 20.522,24.361 20.827,24.361 cw(c20.827,24.234) 20.827,24.107 20.527,24.107 ccw(c20.527,23.98) 20.4,23.98 20.4,23.662 20.4,23.286 20.667,23.019 21.131,23.019 v1(21.6,22.55)
  Bottom Layer w0.127: v1(20.402,34.648) 20.4,34.65 20.4,35.875 20.79,36.265 20.79,37.613 21.148,37.971 21.148,38.148 U5.K1@21.2,38.2 ; R36.2@21.125,22.175 21.163,22.175 21.538,22.55 v1(21.6,22.55)
DDR3_RAS: R19.1 U1.K15 | length 1.1
  Top Layer w0.127: U1.K15@20.4,21.4 v1(20.75,21.05)
  Bottom Layer w0.127: v1(20.75,21.05) 20.826,21.05 20.914,20.961 20.964,20.961 21.089,20.836 21.101,20.836 21.225,20.712 R19.1@21.225,20.7
DDR3_RAS_T: R19.2 U4.J3 U5.J3 | length 45.9
  Top Layer w0.127: v1(20,35.35) 20,33.8 U4.J3@20.4,33.4
  Int2 (Sign) w0.127: v1(20,35.35) 20,32.775 20.976,31.799 25.751,31.799 25.756,31.794 25.763,31.794 25.994,31.563 25.994,31.237 25.738,30.981 25.698,30.981 25.039,30.981 ccw(c25.039,30.854) 24.912,30.854 24.912,30.831 cw(c24.785,30.831) 24.658,30.831 24.658,30.879 ccw(c24.531,30.879) 24.404,30.879 24.404,30.831 cw(c24.277,30.831) 24.15,30.831 24.15,30.879 ccw(c24.023,30.879) 23.896,30.879 23.896,30.831 cw(c23.769,30.831) 23.642,30.831 23.642,30.904 ccw(c23.515,30.904) 23.388,30.904 23.388,30.831 cw(c23.261,30.831) 23.134,30.831 23.134,30.879 ccw(c23.007,30.879) 22.88,30.879 22.88,30.831 cw(c22.753,30.831) 22.626,30.831 22.626,30.854 ccw(c22.499,30.854) 22.499,30.981 21.673,30.981 19.856,30.981 19.77,30.895 19.6,30.725 19.6,30.572 ccw(c19.727,30.572) 19.727,30.445 20.019,30.445 cw(c20.019,30.318) 20.019,30.191 19.626,30.191 ccw(c19.626,30.064) 19.626,29.937 20.045,29.937 cw(c20.045,29.81) 20.045,29.683 19.626,29.683 ccw(c19.626,29.556) 19.626,29.429 20.073,29.429 cw(c20.073,29.302) 20.073,29.175 19.626,29.175 ccw(c19.626,29.048) 19.626,28.921 20.073,28.921 cw(c20.073,28.794) 20.073,28.667 19.626,28.667 ccw(c19.626,28.54) 19.626,28.413 20.073,28.413 cw(c20.073,28.286) 20.073,28.159 19.626,28.159 ccw(c19.626,28.032) 19.626,27.905 20.073,27.905 cw(c20.073,27.778) 20.073,27.651 19.626,27.651 ccw(c19.626,27.524) 19.626,27.397 20.073,27.397 cw(c20.073,27.27) 20.073,27.143 19.626,27.143 ccw(c19.626,27.016) 19.626,26.889 20.061,26.889 cw(c20.061,26.762) 20.061,26.635 19.626,26.635 ccw(c19.626,26.508) 19.626,26.381 20.056,26.381 cw(c20.056,26.254) 20.056,26.127 19.626,26.127 ccw(c19.626,26) 19.626,25.873 20.059,25.873 cw(c20.059,25.746) 20.059,25.619 19.626,25.619 ccw(c19.626,25.492) 19.626,25.365 20.042,25.365 cw(c20.042,25.238) 20.042,25.111 19.727,25.111 ccw(c19.727,24.984) 19.6,24.984 19.6,24.159 19.6,22.393 19.85,22.144 21.206,22.144 v1(21.6,21.75)
  Bottom Layer w0.127: v1@19.994,35.344 19.56,35.779 19.56,35.976 19.659,36.075 20.221,36.075 20.363,36.217 20.363,36.563 U5.J3@20.4,36.6 ; R19.2@21.2,21.325 21.2,21.35 v1(21.6,21.75)
DDR3_RESET: R16.1 U1.U11 U4.T2 U5.T2 | length 29.4
  Top Layer w0.127: U1.U11@26,18.2 26.365,17.835 26.365,17.318 26.649,17.035 26.991,17.035 27.8,17.843 27.8,30.575 26.037,32.338 26.037,32.563 U4.T2@26,32.6 27,32.6 28.9,34.5 28.9,37.825 28.086,38.639 28.074,38.639 27.95,38.763 R16.1@27.95,38.775 ; v1(27.3,38.8) 27.313,38.787 27.84,38.787 R16.1@27.95,38.678
  Bottom Layer w0.127: U5.T2@26,37.4 26,37.45 27.3,38.75 v1(27.3,38.8)
DDR3_S0: R28.1 U1.M15 | length 1.2
  Top Layer w0.127: U1.M15@22,21.4 22,21.375 22.35,21.025 v1(22.35,21)
  Bottom Layer w0.127: v1(22.35,21) 22.375,21 22.751,21.376 R28.1@22.823,21.376
DDR3_S0_T: R28.2 U4.L2 U5.L2 | length 48.2
  Top Layer w0.127: v1(21.6,35.35) 21.6,33.248 21.948,32.9 21.948,32.652 U4.L2@22,32.6
  Int2 (Sign) w0.127: v1(21.6,35.35) 21.6,33.325 22.11,32.815 26.64,32.815 27.225,32.229 27.225,28.55 27.01,28.335 26.975,28.3 26.394,28.3 ccw(c26.394,28.173) 26.267,28.173 26.267,27.856 cw(c26.14,27.856) 26.013,27.856 26.013,28.183 ccw(c25.886,28.183) 25.759,28.183 25.759,27.856 cw(c25.632,27.856) 25.505,27.856 25.505,28.181 ccw(c25.378,28.181) 25.251,28.181 25.251,27.856 cw(c25.124,27.856) 24.997,27.856 24.997,28.188 ccw(c24.87,28.188) 24.743,28.188 24.743,27.856 cw(c24.616,27.856) 24.489,27.856 24.489,28.173 ccw(c24.362,28.173) 24.362,28.3 23.029,28.3 23,28.3 22.979,28.279 22.825,28.125 22.825,28.079 ccw(c22.952,28.079) 22.952,27.952 23.13,27.952 cw(c23.13,27.825) 23.13,27.698 22.951,27.698 ccw(c22.951,27.571) 22.951,27.444 23.119,27.444 cw(c23.119,27.317) 23.119,27.19 22.989,27.19 ccw(c22.989,27.063) 22.989,26.936 23.119,26.936 cw(c23.119,26.809) 23.119,26.682 22.98,26.682 ccw(c22.98,26.555) 22.98,26.428 23.119,26.428 cw(c23.119,26.301) 23.119,26.174 22.979,26.174 ccw(c22.979,26.047) 22.979,25.92 23.119,25.92 cw(c23.119,25.793) 23.119,25.666 22.979,25.666 ccw(c22.979,25.539) 22.979,25.412 23.119,25.412 cw(c23.119,25.285) 23.119,25.158 22.906,25.158 ccw(c22.906,25.031) 22.906,24.904 23.119,24.904 cw(c23.119,24.777) 23.119,24.65 22.906,24.65 ccw(c22.906,24.523) 22.906,24.396 23.119,24.396 cw(c23.119,24.269) 23.119,24.142 22.921,24.142 ccw(c22.921,24.015) 22.921,23.888 23.13,23.888 cw(c23.13,23.761) 23.13,23.634 22.921,23.634 ccw(c22.921,23.507) 22.921,23.38 23.13,23.38 cw(c23.13,23.253) 23.13,23.126 22.906,23.126 ccw(c22.906,22.999) 22.906,22.872 23.125,22.872 cw(c23.125,22.745) 23.125,22.618 22.929,22.618 ccw(c22.929,22.491) 22.929,22.364 23.125,22.364 cw(c23.125,22.237) 23.125,22.11 22.906,22.11 ccw(c22.906,21.983) 22.906,21.856 23.13,21.856 cw(c23.13,21.729) 23.13,21.602 22.952,21.602 ccw(c22.952,21.475) 22.825,21.475 22.825,20.818 22.93,20.713 23.062,20.581 24.988,20.581 25.249,20.842 25.249,22.001 25.053,22.197 24.705,22.197 24.394,21.887 24.394,21.494 v1(24,21.1) v1@23.985,21.1
  Bottom Layer w0.127: v1(21.6,35.35) 21.6,37.628 21.674,37.703 21.823,37.703 21.948,37.578 21.948,37.452 U5.L2@22,37.4 ; R28.2@23.538,21.4 23.575,21.4 23.822,21.153 23.947,21.153 v1(24,21.1)
DDR3_WE: R26.1 U1.M16 | length 1.2
  Top Layer w0.127: U1.M16@22,22.2 22,22.181 22.375,21.806 v1(22.375,21.787)
  Bottom Layer w0.127: v1(22.375,21.787) 22.399,21.787 22.812,22.2 R26.1@22.85,22.2
DDR3_WE_T: R26.2 U4.L3 U5.L3 | length 45.7
  Top Layer w0.127: U4.L3@22,33.4 22,33.915 22.1,34.015 22.311,34.015 22.4,34.104 22.4,34.577 22.326,34.652 v1@22.002,34.652
  Int2 (Sign) w0.127: v1(22,34.65) 22,33.45 22.381,33.069 26.831,33.069 27.55,32.35 27.55,28.45 26.575,27.475 23.708,27.475 23.699,27.466 23.5,27.267 23.5,27.198 ccw(c23.627,27.198) 23.627,27.071 27.957,27.071 cw(c27.957,26.944) 27.957,26.817 23.627,26.817 ccw(c23.627,26.69) 23.627,26.563 27.957,26.563 cw(c27.957,26.436) 27.957,26.309 23.627,26.309 ccw(c23.627,26.182) 23.627,26.055 23.915,26.055 cw(c23.915,25.928) 23.915,25.801 23.627,25.801 ccw(c23.627,25.674) 23.5,25.674 23.5,24.849 23.5,24.168 23.837,23.831 24.114,23.831 24.345,23.6 24.345,23.274 24.09,23.019 23.737,23.019 23.506,22.788 23.506,22.294 v1(24,21.8)
  Bottom Layer w0.127: v1(22,34.65) U5.L3@22,36.6 ; R26.2@23.5,22.2 23.538,22.2 23.938,21.8 v1(24,21.8)
FCLK_N: JM1.77 R9.1 U1.U1 | length 34
  Top Layer w0.1: R9.1@25.975,8.65 R9.1@25.98,8.65 ; R9.1@25.98,8.65 26.163,8.833 26.163,9.589 26.174,9.6 26.174,10.016 26,10.19 U1.U1@26,10.2 ; R9.1@26,8.65 26,8.63 26.163,8.467 26.163,8.212 26.382,7.992 27.054,7.992 27.462,8.4 27.894,8.4 38.514,19.02 38.514,29.038 39.625,30.149 39.625,31.476 39.453,31.648 39.034,31.648 v1(38.975,31.706)
  Bottom Layer w0.127: JM1.77@37.85,31.75 37.872,31.728 38.953,31.728 v1(38.975,31.706)
FCLK_P: JM1.75 R9.2 U1.U2 | length 33.7
  Top Layer w0.1: U1.U2@26,11 26.048,10.952 26.048,10.685 26.448,10.284 26.448,9.486 26.437,9.475 26.437,8.833 R9.2@26.62,8.65 ; R9.2@26.625,8.65 R9.2@26.62,8.65 ; v1(38.975,31.15) 38.975,31.169 39.18,31.374 39.292,31.374 39.351,31.315 39.351,30.263 38.24,29.152 38.24,19.133 28.528,9.422 27.978,8.872 27.781,8.674 27.348,8.674 26.94,8.266 26.496,8.266 26.437,8.325 26.437,8.467 R9.2@26.62,8.65
  Bottom Layer w0.127: JM1.75@37.85,31.25 37.9,31.2 38.925,31.2 v1(38.975,31.15)
FE_EN: JM2.53 U1.K6 | length 35.8
  Top Layer w0.127: v1(20,13.875) 20.037,13.875 20.325,14.162 U1.K6@20.362,14.162
  Int2 (Sign) w0.127: v1(6.95,25.75) 6.93,25.75 5.708,24.528 5.708,14.454 7.474,12.688 7.474,10.558 9.825,8.207 13.924,8.207 14.54,8.823 17.966,8.823 18.508,9.365 18.508,10.465 19.037,10.994 19.35,10.994 19.594,11.237 19.594,13.394 20,13.8 v1(20,13.875)
  Bottom Layer w0.127: JM2.53@5.85,25.75 v1(6.95,25.75)
FE_PG: JM2.45 U1.J5 | length 31.6
  Top Layer w0.127: v1(19.2,13) U1.J5@19.562,13.362
  Int2 (Sign) w0.127: v1(6.95,23.75) 6.93,23.75 5.962,22.782 5.962,14.559 7.728,12.793 7.728,10.663 9.93,8.461 13.819,8.461 14.435,9.077 17.861,9.077 18.254,9.47 18.254,10.697 18.794,11.237 18.794,12.594 v1(19.2,13)
  Bottom Layer w0.127: JM2.45@5.85,23.75 v1(6.95,23.75)